# KiCad board mse-68-hd-panel.kicad_pcb (continued)
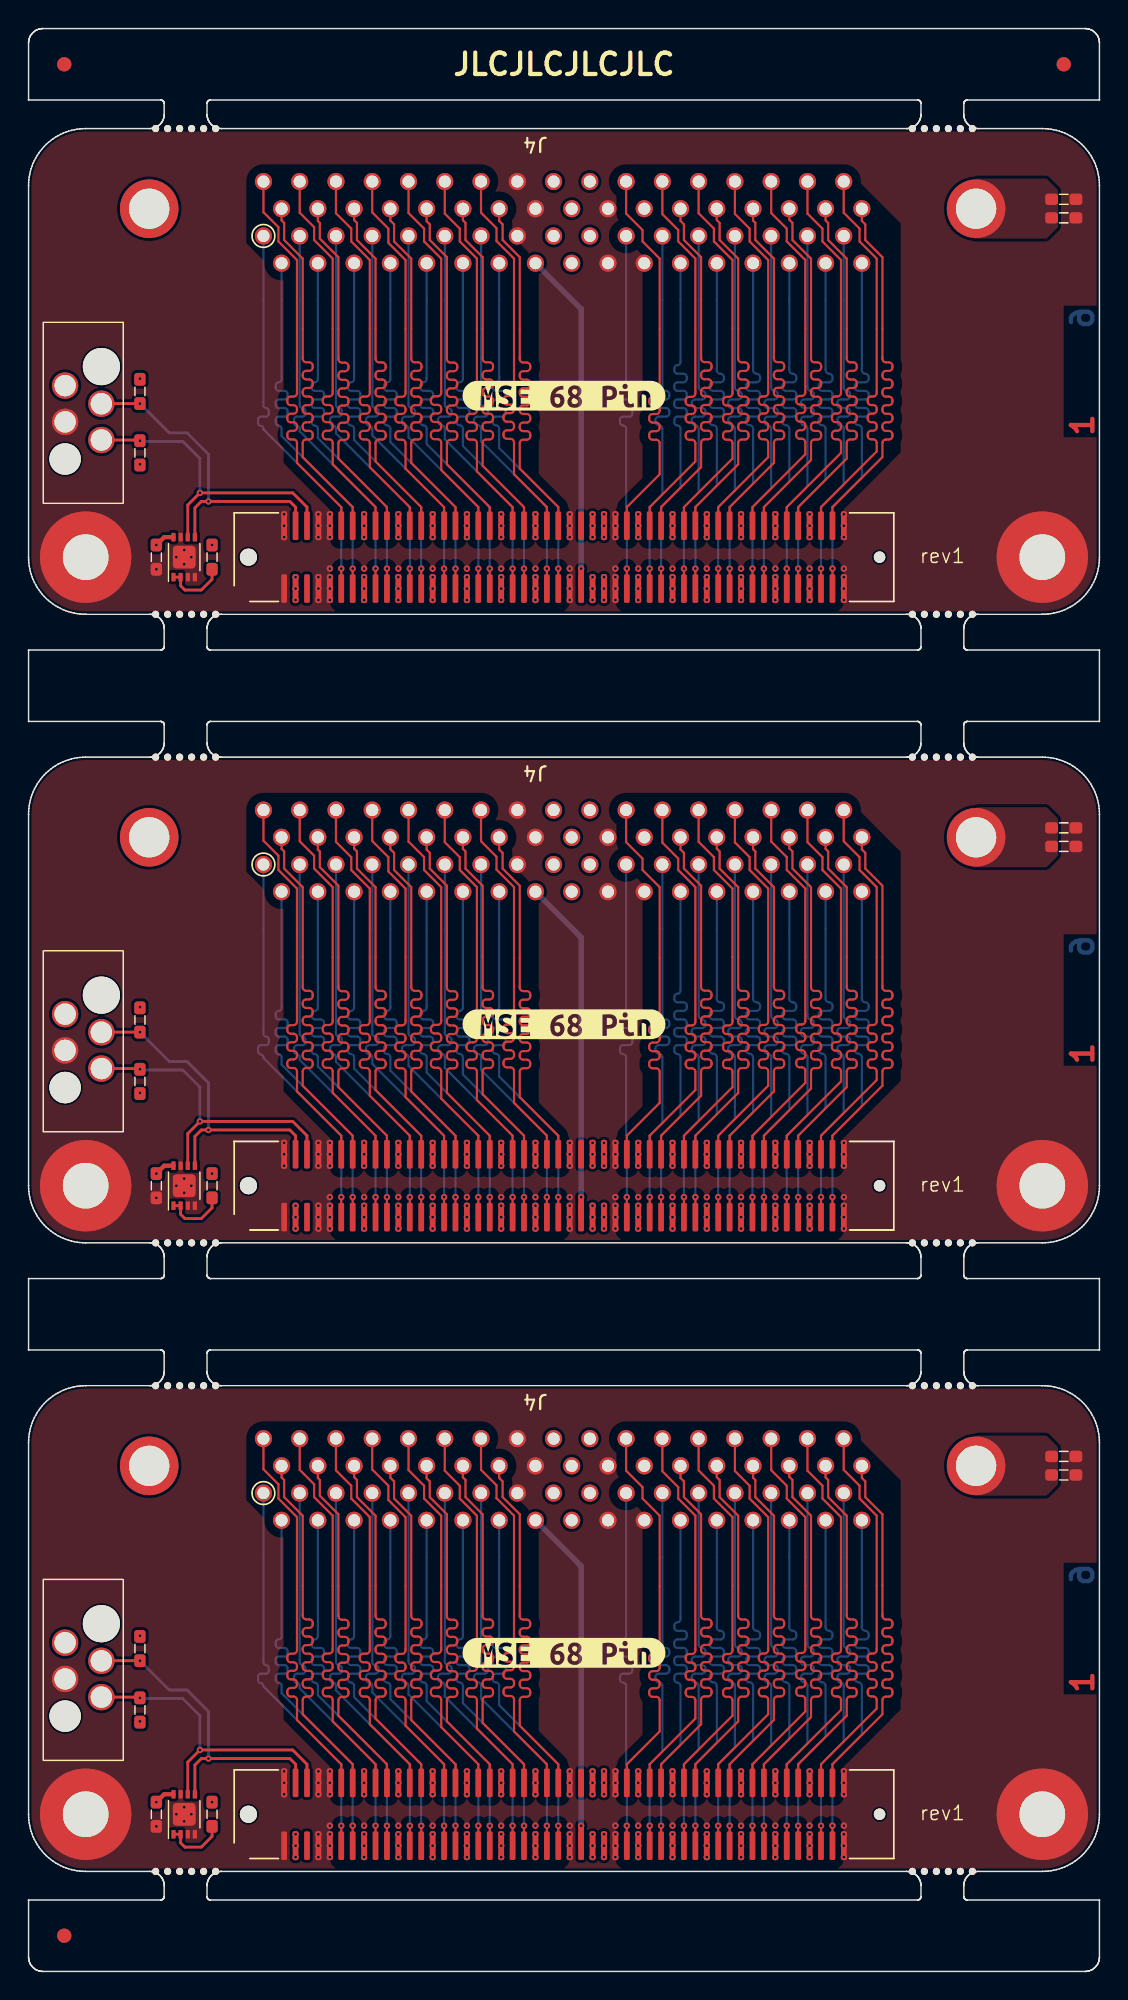
[diagram p0: board, top side]
## Routing (per net, layer and track width the routed paths; a pad name or vN(x,y) marks a point on that pad's centre or on a via; arc(x,y) is an arc through that point) (continued)
Board_0-/CON.I/O-: length 29.2
  Top w0.151: J4.64 53.28,122.62 53.5,122.4 53.5,121.2 54.8,119.9 54.8,112.88 arc(54.87,112.71) 55.04,112.64 55.27,112.64 arc(55.44,112.57) 55.51,112.4 55.51,112.28 arc(55.44,112.11) 55.27,112.04 55.04,112.04 arc(54.87,111.97) 54.8,111.8 54.8,111.68 arc(54.87,111.51) 55.04,111.44 55.27,111.44 arc(55.44,111.37) 55.51,111.2 55.51,111.08 arc(55.44,110.91) 55.27,110.84 55.04,110.84 arc(54.87,110.77) 54.8,110.6 54.8,110.48 arc(54.87,110.31) 55.04,110.24 55.27,110.24 arc(55.44,110.17) 55.51,110 55.51,109.88 arc(55.44,109.71) 55.27,109.64 55.04,109.64 arc(54.87,109.57) 54.8,109.4 54.8,109.28 arc(54.87,109.11) 55.04,109.04 55.27,109.04 arc(55.44,108.97) 55.51,108.8 55.51,108.68 arc(55.44,108.51) 55.27,108.44 55.04,108.44 arc(54.87,108.37) 54.8,108.2 54.8,108.08 arc(54.87,107.91) 55.04,107.84 55.27,107.84 arc(55.44,107.77) 55.51,107.6 55.51,107.48 arc(55.44,107.31) 55.27,107.24 55.04,107.24 arc(54.87,107.17) 54.8,107 54.8,105.8 51.5,102.5 J1#2.86
Board_0-/CON.MSG+: length 27.9
  Top w0.151: J1#2.73 v1(46.7,98.2)
  Bottom w0.151: v1(46.7,98.2) 46.7,102.5 48.2,104 48.2,108 arc(48.13,108.17) 47.96,108.24 47.94,108.24 arc(47.77,108.31) 47.7,108.48 47.7,108.6 arc(47.77,108.77) 47.94,108.84 48.46,108.84 arc(48.63,108.91) 48.7,109.08 48.7,109.2 arc(48.63,109.37) 48.46,109.44 47.94,109.44 arc(47.77,109.51) 47.7,109.68 47.7,109.8 arc(47.77,109.97) 47.94,110.04 48.46,110.04 arc(48.63,110.11) 48.7,110.28 48.7,110.4 arc(48.63,110.57) 48.46,110.64 47.94,110.64 arc(47.77,110.71) 47.7,110.88 47.7,111 arc(47.77,111.17) 47.94,111.24 48.46,111.24 arc(48.63,111.31) 48.7,111.48 48.7,111.6 arc(48.63,111.77) 48.46,111.84 48.44,111.84 arc(48.27,111.91) 48.2,112.08 J4.26
Board_0-/CON.MSG-: length 29.2
  Top w0.151: J4.60 48.2,122.6 48.4,122.4 48.4,121.2 49.7,119.9 49.7,112.88 arc(49.77,112.71) 49.94,112.64 50.18,112.64 arc(50.35,112.57) 50.42,112.4 50.42,112.28 arc(50.35,112.11) 50.18,112.04 49.94,112.04 arc(49.77,111.97) 49.7,111.8 49.7,111.68 arc(49.77,111.51) 49.94,111.44 50.18,111.44 arc(50.35,111.37) 50.42,111.2 50.42,111.08 arc(50.35,110.91) 50.18,110.84 49.94,110.84 arc(49.77,110.77) 49.7,110.6 49.7,110.48 arc(49.77,110.31) 49.94,110.24 50.18,110.24 arc(50.35,110.17) 50.42,110 50.42,109.88 arc(50.35,109.71) 50.18,109.64 49.94,109.64 arc(49.77,109.57) 49.7,109.4 49.7,109.28 arc(49.77,109.11) 49.94,109.04 50.18,109.04 arc(50.35,108.97) 50.42,108.8 50.42,108.68 arc(50.35,108.51) 50.18,108.44 49.94,108.44 arc(49.77,108.37) 49.7,108.2 49.7,108.08 arc(49.77,107.91) 49.94,107.84 50.18,107.84 arc(50.35,107.77) 50.42,107.6 50.42,107.48 arc(50.35,107.31) 50.18,107.24 49.94,107.24 arc(49.77,107.17) 49.7,107 49.7,105.5 46.7,102.5 J1#2.74
Board_0-/CON.REQ+: length 27.9
  Top w0.151: J1#2.83 v1(50.7,98.2)
  Bottom w0.151: J4.29 52.01,110.87 arc(52.08,110.71) 52.24,110.64 arc(52.41,110.57) 52.47,110.41 52.47,110.27 arc(52.41,110.11) 52.24,110.04 51.78,110.04 arc(51.61,109.97) 51.54,109.81 51.54,109.67 arc(51.61,109.51) 51.78,109.44 52.24,109.44 arc(52.41,109.37) 52.48,109.21 52.48,109.07 arc(52.41,108.91) 52.24,108.84 51.78,108.84 arc(51.61,108.77) 51.55,108.61 51.55,108.47 arc(51.61,108.3) 51.78,108.23 arc(51.94,108.17) 52.01,108 52.01,103.81 50.7,102.5 v1(50.7,98.2)
Board_0-/CON.REQ-: length 29.2
  Top w0.151: J4.63 52.01,123.09 53.1,122 53.1,121.1 54.4,119.8 54.4,110.53 arc(54.33,110.36) 54.16,110.29 54,110.29 arc(53.83,110.22) 53.76,110.05 53.76,109.93 arc(53.83,109.76) 54,109.69 54.16,109.69 arc(54.33,109.62) 54.4,109.45 54.4,109.33 arc(54.33,109.16) 54.16,109.09 54,109.09 arc(53.83,109.02) 53.76,108.85 53.76,108.73 arc(53.83,108.56) 54,108.49 54.16,108.49 arc(54.33,108.42) 54.4,108.25 54.4,108.13 arc(54.33,107.96) 54.16,107.89 54,107.89 arc(53.83,107.82) 53.76,107.65 53.76,107.53 arc(53.83,107.36) 54,107.29 54.16,107.29 arc(54.33,107.22) 54.4,107.05 54.4,106.2 50.7,102.5 J1#2.84
Board_0-/CON.RST+: length 27.9
  Top w0.151: J1#2.71 v1(45.9,98.2)
  Bottom w0.151: J4.25 46.93,110.88 arc(47,110.71) 47.17,110.64 47.17,110.64 arc(47.34,110.57) 47.41,110.4 47.41,110.28 arc(47.34,110.11) 47.17,110.04 46.69,110.04 arc(46.52,109.97) 46.45,109.8 46.45,109.68 arc(46.52,109.51) 46.69,109.44 47.17,109.44 arc(47.34,109.37) 47.41,109.2 47.41,109.08 arc(47.34,108.91) 47.17,108.84 46.69,108.84 arc(46.52,108.77) 46.45,108.6 46.45,108.48 arc(46.52,108.31) 46.69,108.24 46.69,108.24 arc(46.86,108.17) 46.93,108 46.93,103.53 45.9,102.5 v1(45.9,98.2)
Board_0-/CON.RST-: length 29.2
  Top w0.151: J1#2.72 45.9,102.5 49.3,105.9 49.3,106.98 arc(49.23,107.15) 49.06,107.22 48.88,107.22 arc(48.71,107.29) 48.64,107.46 48.64,107.58 arc(48.71,107.75) 48.88,107.82 49.06,107.82 arc(49.23,107.89) 49.3,108.06 49.3,108.18 arc(49.23,108.35) 49.06,108.42 48.88,108.42 arc(48.71,108.49) 48.64,108.66 48.64,108.78 arc(48.71,108.95) 48.88,109.02 49.06,109.02 arc(49.23,109.09) 49.3,109.26 49.3,109.38 arc(49.23,109.55) 49.06,109.62 48.88,109.62 arc(48.71,109.69) 48.64,109.86 48.64,109.98 arc(48.71,110.15) 48.88,110.22 49.06,110.22 arc(49.23,110.29) 49.3,110.46 49.3,119.8 48,121.1 48,122 46.93,123.07 J4.59
Board_0-/CON.SEL+: length 27.9
  Top w0.151: J1#2.77 v1(48.3,98.2)
  Bottom w0.151: J4.27 49.47,110.88 arc(49.54,110.71) 49.71,110.64 arc(49.87,110.57) 49.94,110.4 49.94,110.28 arc(49.87,110.11) 49.71,110.04 49.23,110.04 arc(49.06,109.97) 49,109.8 49,109.68 arc(49.06,109.51) 49.23,109.44 49.71,109.44 arc(49.88,109.37) 49.94,109.2 49.94,109.08 arc(49.88,108.91) 49.71,108.84 49.23,108.84 arc(49.07,108.77) 49,108.6 49,108.48 arc(49.07,108.31) 49.23,108.24 arc(49.4,108.17) 49.47,108 49.47,103.67 48.3,102.5 v1(48.3,98.2)
Board_0-/CON.SEL-: length 29.2
  Top w0.151: J4.61 49.47,123.03 50.5,122 50.5,121.1 51.8,119.8 51.8,110.49 arc(51.73,110.32) 51.56,110.25 51.38,110.25 arc(51.21,110.18) 51.14,110.01 51.14,109.89 arc(51.21,109.72) 51.38,109.65 51.56,109.65 arc(51.73,109.58) 51.8,109.41 51.8,109.29 arc(51.73,109.12) 51.56,109.05 51.38,109.05 arc(51.21,108.98) 51.14,108.81 51.14,108.69 arc(51.21,108.52) 51.38,108.45 51.56,108.45 arc(51.73,108.38) 51.8,108.21 51.8,108.09 arc(51.73,107.92) 51.56,107.85 51.38,107.85 arc(51.21,107.78) 51.14,107.61 51.14,107.49 arc(51.21,107.32) 51.38,107.25 51.56,107.25 arc(51.73,107.18) 51.8,107.01 51.8,106 48.3,102.5 J1#2.78
Board_0-/CON.TERMPWR:
  vias: v1(39.5,102) v1(39.5,101.2) v1(39.5,100.4) v1(39.5,97.6) v1(39.5,96.8) v1(39.5,96) v1(40.3,102) v1(40.3,101.2) v1(40.3,100.4) v1(40.3,97.6) v1(40.3,96.8) v1(40.3,96)
Board_0-/PHY.ID_SCL: length 22.5
  Top w0.2: J3#3.4 7.4,107.2 7.45,107.15 v1(7.8,107.15) ; U1.6 11.15,102.65 v1(12,103.5) 18.5,103.5 19.5,102.5 J1#2.6
  Bottom w0.2: v1(12,103.5) 12,105.9 10.8,107.1 7.85,107.1 v1(7.8,107.15)
Board_0-/PHY.ID_SDA: length 23
  Top w0.2: v1(7.8,109.75) 5.11,109.75 J3#3.2 ; U1.5 11.65,102.45 12.1,102.9 18.3,102.9 18.7,102.5 J1#2.4
  Bottom w0.2: v1(12.6,102.9) 12.6,106.2 11.1,107.7 9.85,107.7 v1(7.8,109.75)
Board_0-GND:
  vias: v1(8.95,98.15) v1(10.35,99) v1(10.9,99.5) v1(10.9,98.5) v1(11.4,99) v1(17.9,102) v1(17.9,101.2) v1(17.9,100.4) v1(20.3,102) v1(20.3,101.2) v1(20.3,100.4) v1(20.3,97.6) v1(20.3,96.8) v1(20.3,96) v1(21.1,102) v1(21.1,101.2) v1(21.1,100.4) v1(21.1,98.2) v1(21.1,97.6) v1(21.1,96.8) v1(21.1,96) v1(23.5,102) v1(23.5,101.2) v1(23.5,100.4) v1(23.5,98.2) v1(23.5,97.6) v1(23.5,96.8) v1(23.5,96) v1(25.9,102) v1(25.9,101.2) v1(25.9,100.4) v1(25.9,98.2) v1(25.9,97.6) v1(25.9,96.8) v1(25.9,96) v1(28.3,102) v1(28.3,101.2) v1(28.3,100.4) v1(28.3,98.2) v1(28.3,97.6) v1(28.3,96.8) v1(28.3,96) v1(30.7,102) v1(30.7,101.2) v1(30.7,100.4) v1(30.7,98.2) v1(30.7,97.6) v1(30.7,96.8) v1(30.7,96) v1(33.1,102) v1(33.1,101.2) v1(33.1,100.4) v1(33.1,98.2) v1(33.1,97.6) v1(33.1,96.8) v1(33.1,96) v1(35.5,102) v1(35.5,101.2) v1(35.5,100.4) v1(35.5,98.2) v1(35.5,97.6) v1(35.5,96.8) v1(35.5,96) v1(37.9,102) v1(37.9,101.2) v1(37.9,100.4) v1(37.9,98.2) v1(37.9,97.6) v1(37.9,96.8) v1(37.9,96) v1(41.1,102) v1(41.1,101.2) v1(41.1,100.4) v1(41.1,98.2) v1(41.1,97.6) v1(41.1,96.8) v1(41.1,96) v1(42.7,102) v1(42.7,101.2) v1(42.7,100.4) v1(42.7,98.2) v1(42.7,97.6) v1(42.7,96.8) v1(42.7,96) v1(45.1,102) v1(45.1,101.2) v1(45.1,100.4) v1(45.1,98.2) v1(45.1,97.6) v1(45.1,96.8) v1(45.1,96) v1(47.5,102) v1(47.5,101.2) v1(47.5,100.4) v1(47.5,98.2) v1(47.5,97.6) v1(47.5,96.8) v1(47.5,96) v1(49.9,102) v1(49.9,101.2) v1(49.9,100.4) v1(49.9,98.2) v1(49.9,97.6) v1(49.9,96.8) v1(49.9,96) v1(52.3,102) v1(52.3,101.2) v1(52.3,100.4) v1(52.3,98.2) v1(52.3,97.6) v1(52.3,96.8) v1(52.3,96) v1(54.7,102) v1(54.7,101.2) v1(54.7,100.4) v1(54.7,98.2) v1(54.7,97.6) v1(54.7,96.8) v1(54.7,96) v1(57.1,102) v1(57.1,101.2) v1(57.1,100.4) v1(57.1,98.2) v1(57.1,97.6) v1(57.1,96.8) v1(57.1,96)
Board_0-Net-(U1-E0): length 4.4
  Top w0.2: R1.1 12.85,97.45 12.1,96.7 10.95,96.7 10.65,97 U1.2 U1.1
Board_1-+3V3: length 1.4
  Top w0.3: v1(8.95,55.85) 9.5,56.4 U1#3.8
  vias: v1(7.8,67.5) v1(7.8,61.5) v1(12.85,55.85) v1(18.7,53.6) v1(18.7,52.8) v1(18.7,52)
Board_1-/CON.ACK+: length 27.9
  Top w0.151: J1#3.67 v1(44.3,54.2)
  Bottom w0.151: v1(44.3,54.2) 44.3,58.5 45.66,59.86 45.66,64 arc(45.6,64.15) 45.44,64.22 arc(45.29,64.28) 45.23,64.43 45.23,64.63 arc(45.29,64.78) 45.44,64.84 45.88,64.84 arc(46.03,64.91) 46.1,65.06 46.1,65.22 arc(46.03,65.38) 45.88,65.44 45.44,65.44 arc(45.29,65.51) 45.22,65.66 45.22,65.82 arc(45.29,65.98) 45.44,66.04 45.88,66.04 arc(46.03,66.11) 46.1,66.26 46.1,66.42 arc(46.03,66.58) 45.88,66.64 45.44,66.64 arc(45.29,66.71) 45.22,66.86 45.22,67.02 arc(45.29,67.18) 45.44,67.24 45.88,67.24 arc(46.03,67.31) 46.1,67.46 46.1,67.62 arc(46.03,67.78) 45.88,67.84 45.44,67.84 arc(45.29,67.91) 45.23,68.06 45.23,68.23 arc(45.29,68.38) 45.44,68.44 arc(45.6,68.51) 45.66,68.66 J4#3.24
Board_1-/CON.ACK-: length 29.2
  Top w0.151: J1#3.68 44.3,58.5 47.1,61.3 47.1,63.01 arc(47.17,63.18) 47.34,63.25 47.59,63.25 arc(47.76,63.32) 47.83,63.49 47.83,63.61 arc(47.76,63.78) 47.59,63.85 47.34,63.85 arc(47.17,63.92) 47.1,64.09 47.1,64.21 arc(47.17,64.38) 47.34,64.45 47.59,64.45 arc(47.76,64.52) 47.83,64.69 47.83,64.81 arc(47.76,64.98) 47.59,65.05 47.34,65.05 arc(47.17,65.12) 47.1,65.29 47.1,65.41 arc(47.17,65.58) 47.34,65.65 47.59,65.65 arc(47.76,65.72) 47.83,65.89 47.83,66.01 arc(47.76,66.18) 47.59,66.25 47.34,66.25 arc(47.17,66.32) 47.1,66.49 47.1,66.61 arc(47.17,66.78) 47.34,66.85 47.59,66.85 arc(47.76,66.92) 47.83,67.09 47.83,67.21 arc(47.76,67.38) 47.59,67.45 47.34,67.45 arc(47.17,67.52) 47.1,67.69 47.1,67.81 arc(47.17,67.98) 47.34,68.05 47.59,68.05 arc(47.76,68.12) 47.83,68.29 47.83,68.41 arc(47.76,68.58) 47.59,68.65 47.34,68.65 arc(47.17,68.72) 47.1,68.89 47.1,76 45.9,77.2 45.9,78.3 45.66,78.54 J4#3.58
Board_1-/CON.ATN+: length 27.9
  Top w0.151: J1#3.61 v1(41.9,54.2)
  Bottom w0.151: J4#3.21 41.85,67.46 arc(41.79,67.31) 41.63,67.24 arc(41.48,67.18) 41.42,67.03 41.42,66.86 arc(41.48,66.71) 41.63,66.64 42.07,66.64 arc(42.22,66.58) 42.29,66.42 42.29,66.26 arc(42.22,66.11) 42.07,66.04 41.63,66.04 arc(41.48,65.98) 41.41,65.82 41.41,65.66 arc(41.48,65.51) 41.63,65.44 42.07,65.44 arc(42.22,65.38) 42.29,65.22 42.29,65.06 arc(42.22,64.91) 42.07,64.84 41.63,64.84 arc(41.48,64.78) 41.42,64.63 41.42,64.43 arc(41.48,64.28) 41.63,64.22 arc(41.79,64.15) 41.85,64 41.85,58.55 41.9,58.5 v1(41.9,54.2)
Board_1-/CON.ATN-: length 29.2
  Top w0.151: J1#3.62 41.9,58.5 44.2,60.8 44.2,62.98 arc(44.13,63.15) 43.96,63.22 43.7,63.22 arc(43.53,63.29) 43.46,63.46 43.46,63.58 arc(43.53,63.75) 43.7,63.82 43.96,63.82 arc(44.13,63.89) 44.2,64.06 44.2,64.18 arc(44.13,64.35) 43.96,64.42 43.7,64.42 arc(43.53,64.49) 43.46,64.66 43.46,64.78 arc(43.53,64.95) 43.7,65.02 43.96,65.02 arc(44.13,65.09) 44.2,65.26 44.2,65.38 arc(44.13,65.55) 43.96,65.62 43.7,65.62 arc(43.53,65.69) 43.46,65.86 43.46,65.98 arc(43.53,66.15) 43.7,66.22 43.96,66.22 arc(44.13,66.29) 44.2,66.46 44.2,75.9 43,77.1 43,77.9 41.85,79.05 J4#3.55
Board_1-/CON.BSY+: length 27.9
  Top w0.151: J1#3.65 v1(43.5,54.2)
  Bottom w0.151: v1(43.5,54.2) 43.5,58.5 44.39,59.39 44.39,64 arc(44.32,64.17) 44.15,64.24 44.14,64.24 arc(43.97,64.31) 43.9,64.48 43.9,64.6 arc(43.97,64.77) 44.14,64.84 44.64,64.84 arc(44.81,64.91) 44.88,65.08 44.88,65.2 arc(44.81,65.37) 44.64,65.44 44.14,65.44 arc(43.97,65.51) 43.9,65.68 43.9,65.8 arc(43.97,65.97) 44.14,66.04 44.64,66.04 arc(44.81,66.11) 44.88,66.28 44.88,66.4 arc(44.81,66.57) 44.64,66.64 44.63,66.64 arc(44.46,66.71) 44.39,66.88 J4#3.23
Board_1-/CON.BSY-: length 29.2
  Top w0.151: J4#3.57 44.39,79.01 45.5,77.9 45.5,77.1 46.7,75.9 46.7,66.46 arc(46.63,66.29) 46.46,66.22 46.26,66.22 arc(46.09,66.15) 46.02,65.98 46.02,65.86 arc(46.09,65.69) 46.26,65.62 46.46,65.62 arc(46.63,65.55) 46.7,65.38 46.7,65.26 arc(46.63,65.09) 46.46,65.02 46.26,65.02 arc(46.09,64.95) 46.02,64.78 46.02,64.66 arc(46.09,64.49) 46.26,64.42 46.46,64.42 arc(46.63,64.35) 46.7,64.18 46.7,64.06 arc(46.63,63.89) 46.46,63.82 46.26,63.82 arc(46.09,63.75) 46.02,63.58 46.02,63.46 arc(46.09,63.29) 46.26,63.22 46.46,63.22 arc(46.63,63.15) 46.7,62.98 46.7,61.7 43.5,58.5 J1#3.66
Board_1-/CON.C/D+: length 27.9
  Top w0.151: J1#3.79 v1(49.1,54.2)
  Bottom w0.151: v1(49.1,54.2) 49.1,58.5 50.74,60.14 50.74,64 arc(50.67,64.17) 50.5,64.24 50.49,64.24 arc(50.32,64.31) 50.25,64.48 50.25,64.6 arc(50.32,64.77) 50.49,64.84 50.99,64.84 arc(51.16,64.91) 51.23,65.08 51.23,65.2 arc(51.16,65.37) 50.99,65.44 50.49,65.44 arc(50.32,65.51) 50.25,65.68 50.25,65.8 arc(50.32,65.97) 50.49,66.04 50.99,66.04 arc(51.16,66.11) 51.23,66.28 51.23,66.4 arc(51.16,66.57) 50.99,66.64 50.49,66.64 arc(50.32,66.71) 50.25,66.88 50.25,67 arc(50.32,67.17) 50.49,67.24 50.99,67.24 arc(51.16,67.31) 51.23,67.48 51.23,67.6 arc(51.16,67.77) 50.99,67.84 50.98,67.84 arc(50.81,67.91) 50.74,68.08 J4#3.28
Board_1-/CON.C/D-: length 29.2
  Top w0.151: J1#3.80 49.1,58.5 52.2,61.6 52.2,63.01 arc(52.27,63.18) 52.44,63.25 52.68,63.25 arc(52.85,63.32) 52.92,63.49 52.92,63.61 arc(52.85,63.78) 52.68,63.85 52.44,63.85 arc(52.27,63.92) 52.2,64.09 52.2,64.21 arc(52.27,64.38) 52.44,64.45 52.68,64.45 arc(52.85,64.52) 52.92,64.69 52.92,64.81 arc(52.85,64.98) 52.68,65.05 52.44,65.05 arc(52.27,65.12) 52.2,65.29 52.2,65.41 arc(52.27,65.58) 52.44,65.65 52.68,65.65 arc(52.85,65.72) 52.92,65.89 52.92,66.01 arc(52.85,66.18) 52.68,66.25 52.44,66.25 arc(52.27,66.32) 52.2,66.49 52.2,66.61 arc(52.27,66.78) 52.44,66.85 52.68,66.85 arc(52.85,66.92) 52.92,67.09 52.92,67.21 arc(52.85,67.38) 52.68,67.45 52.44,67.45 arc(52.27,67.52) 52.2,67.69 52.2,67.81 arc(52.27,67.98) 52.44,68.05 52.68,68.05 arc(52.85,68.12) 52.92,68.29 52.92,68.41 arc(52.85,68.58) 52.68,68.65 52.44,68.65 arc(52.27,68.72) 52.2,68.89 52.2,75.9 50.9,77.2 50.9,78.4 50.74,78.56 J4#3.62
Board_1-/CON.DB0+: length 27.9
  Top w0.151: J1#3.25 v1(27.5,54.2)
  Bottom w0.151: v1(27.5,54.2) 27.5,58.5 22.8,63.2 22.8,64 arc(22.74,64.15) 22.59,64.22 arc(22.43,64.28) 22.37,64.43 22.37,64.63 arc(22.43,64.78) 22.59,64.84 23.02,64.84 arc(23.17,64.91) 23.24,65.06 23.24,65.22 arc(23.17,65.38) 23.02,65.44 22.58,65.44 arc(22.43,65.51) 22.36,65.66 22.36,65.82 arc(22.43,65.98) 22.58,66.04 23.02,66.04 arc(23.17,66.11) 23.24,66.26 23.24,66.42 arc(23.17,66.58) 23.02,66.64 22.59,66.64 arc(22.43,66.7) 22.37,66.86 22.37,67.03 arc(22.43,67.18) 22.59,67.24 arc(22.74,67.3) 22.8,67.46 J4#3.6
Board_1-/CON.DB0-: length 29.2
  Top w0.151: J1#3.26 27.5,58.5 24.3,61.7 24.3,63 arc(24.37,63.17) 24.54,63.24 24.77,63.24 arc(24.94,63.31) 25.01,63.48 25.01,63.6 arc(24.94,63.77) 24.77,63.84 24.54,63.84 arc(24.37,63.91) 24.3,64.08 24.3,64.2 arc(24.37,64.37) 24.54,64.44 24.77,64.44 arc(24.94,64.51) 25.01,64.68 25.01,64.8 arc(24.94,64.97) 24.77,65.04 24.54,65.04 arc(24.37,65.11) 24.3,65.28 24.3,65.4 arc(24.37,65.57) 24.54,65.64 24.77,65.64 arc(24.94,65.71) 25.01,65.88 25.01,66 arc(24.94,66.17) 24.77,66.24 24.54,66.24 arc(24.37,66.31) 24.3,66.48 24.3,66.6 arc(24.37,66.77) 24.54,66.84 24.77,66.84 arc(24.94,66.91) 25.01,67.08 25.01,67.2 arc(24.94,67.37) 24.77,67.44 24.54,67.44 arc(24.37,67.51) 24.3,67.68 24.3,67.8 arc(24.37,67.97) 24.54,68.04 24.77,68.04 arc(24.94,68.11) 25.01,68.28 25.01,68.4 arc(24.94,68.57) 24.77,68.64 24.54,68.64 arc(24.37,68.71) 24.3,68.88 24.3,75.9 23,77.2 23,78.4 22.8,78.6 J4#3.40
Board_1-/CON.DB1+: length 27.9
  Top w0.151: J1#3.29 v1(29.1,54.2)
  Bottom w0.151: v1(29.1,54.2) 29.1,58.5 24.07,63.53 24.07,64 arc(24.01,64.16) 23.85,64.22 arc(23.7,64.28) 23.64,64.44 23.64,64.62 arc(23.7,64.78) 23.85,64.84 24.29,64.84 arc(24.44,64.91) 24.5,65.06 24.5,65.22 arc(24.44,65.38) 24.29,65.44 arc(24.13,65.51) 24.07,65.66 J4#3.7
Board_1-/CON.DB1-: length 29.2
  Top w0.151: J4#3.41 24.07,79.13 25.2,78 25.2,77 26.4,75.8 26.4,66.47 arc(26.33,66.3) 26.16,66.23 25.93,66.23 arc(25.76,66.16) 25.69,65.99 25.69,65.87 arc(25.76,65.7) 25.93,65.63 26.16,65.63 arc(26.33,65.56) 26.4,65.39 26.4,65.27 arc(26.33,65.1) 26.16,65.03 25.93,65.03 arc(25.76,64.96) 25.69,64.79 25.69,64.67 arc(25.76,64.5) 25.93,64.43 26.16,64.43 arc(26.33,64.36) 26.4,64.19 26.4,64.07 arc(26.33,63.9) 26.16,63.83 25.93,63.83 arc(25.76,63.76) 25.69,63.59 25.69,63.47 arc(25.76,63.3) 25.93,63.23 26.16,63.23 arc(26.33,63.16) 26.4,62.99 26.4,61.2 29.1,58.5 J1#3.30
Board_1-/CON.DB2+: length 27.9
  Top w0.151: J1#3.31 v1(29.9,54.2)
  Bottom w0.151: v1(29.9,54.2) 29.9,58.5 25.34,63.06 25.34,64 arc(25.28,64.16) 25.12,64.22 arc(24.97,64.29) 24.9,64.44 24.9,64.62 arc(24.97,64.78) 25.12,64.84 25.56,64.84 arc(25.72,64.91) 25.78,65.06 25.78,65.22 arc(25.72,65.38) 25.56,65.44 25.12,65.44 arc(24.96,65.51) 24.9,65.66 24.9,65.82 arc(24.96,65.98) 25.12,66.04 25.56,66.04 arc(25.72,66.11) 25.78,66.26 25.78,66.42 arc(25.72,66.58) 25.56,66.64 25.12,66.64 arc(24.97,66.71) 24.9,66.86 24.9,67.02 arc(24.97,67.18) 25.12,67.24 arc(25.28,67.31) 25.34,67.46 J4#3.8
Board_1-/CON.DB2-: length 29.2
  Top w0.151: J1#3.32 29.9,58.5 26.8,61.6 26.8,63 arc(26.87,63.17) 27.04,63.24 27.28,63.24 arc(27.45,63.31) 27.52,63.48 27.52,63.6 arc(27.45,63.77) 27.28,63.84 27.04,63.84 arc(26.87,63.91) 26.8,64.08 26.8,64.2 arc(26.87,64.37) 27.04,64.44 27.28,64.44 arc(27.45,64.51) 27.52,64.68 27.52,64.8 arc(27.45,64.97) 27.28,65.04 27.04,65.04 arc(26.87,65.11) 26.8,65.28 26.8,65.4 arc(26.87,65.57) 27.04,65.64 27.28,65.64 arc(27.45,65.71) 27.52,65.88 27.52,66 arc(27.45,66.17) 27.28,66.24 27.04,66.24 arc(26.87,66.31) 26.8,66.48 26.8,66.6 arc(26.87,66.77) 27.04,66.84 27.28,66.84 arc(27.45,66.91) 27.52,67.08 27.52,67.2 arc(27.45,67.37) 27.28,67.44 27.04,67.44 arc(26.87,67.51) 26.8,67.68 26.8,67.8 arc(26.87,67.97) 27.04,68.04 27.28,68.04 arc(27.45,68.11) 27.52,68.28 27.52,68.4 arc(27.45,68.57) 27.28,68.64 27.04,68.64 arc(26.87,68.71) 26.8,68.88 26.8,75.9 25.6,77.1 25.6,78.3 25.34,78.56 J4#3.42
Board_1-/CON.DB3+: length 27.9
  Top w0.151: J1#3.35 v1(31.5,54.2)
  Bottom w0.151: J4#3.9 26.61,65.67 arc(26.68,65.51) 26.84,65.44 arc(27,65.38) 27.07,65.21 27.07,65.07 arc(27,64.91) 26.84,64.84 26.38,64.84 arc(26.22,64.78) 26.15,64.61 26.15,64.46 arc(26.22,64.3) 26.38,64.23 arc(26.54,64.16) 26.61,64 26.61,63.39 31.5,58.5 v1(31.5,54.2)
Board_1-/CON.DB3-: length 29.2
  Top w0.151: J4#3.43 26.61,79.09 27.7,78 27.7,77.1 28.9,75.9 28.9,66.5 arc(28.83,66.33) 28.66,66.26 28.42,66.26 arc(28.25,66.19) 28.18,66.02 28.18,65.9 arc(28.25,65.73) 28.42,65.66 28.66,65.66 arc(28.83,65.59) 28.9,65.42 28.9,65.3 arc(28.83,65.13) 28.66,65.06 28.42,65.06 arc(28.25,64.99) 28.18,64.82 28.18,64.7 arc(28.25,64.53) 28.42,64.46 28.66,64.46 arc(28.83,64.39) 28.9,64.22 28.9,64.1 arc(28.83,63.93) 28.66,63.86 28.42,63.86 arc(28.25,63.79) 28.18,63.62 28.18,63.5 arc(28.25,63.33) 28.42,63.26 28.66,63.26 arc(28.83,63.19) 28.9,63.02 28.9,61.1 31.5,58.5 J1#3.36
Board_1-/CON.DB4+: length 27.9
  Top w0.151: J1#3.37 v1(32.3,54.2)
  Bottom w0.151: v1(32.3,54.2) 32.3,58.5 27.88,62.92 27.88,64 arc(27.81,64.16) 27.66,64.23 arc(27.5,64.29) 27.43,64.45 27.43,64.62 arc(27.5,64.78) 27.66,64.84 28.11,64.84 arc(28.27,64.91) 28.33,65.07 28.33,65.22 arc(28.27,65.38) 28.11,65.44 27.65,65.44 arc(27.49,65.51) 27.43,65.67 27.43,65.82 arc(27.49,65.98) 27.65,66.04 28.11,66.04 arc(28.27,66.11) 28.33,66.27 28.33,66.42 arc(28.27,66.58) 28.11,66.64 27.66,66.64 arc(27.5,66.71) 27.43,66.87 27.43,67.02 arc(27.5,67.18) 27.66,67.24 arc(27.81,67.31) 27.88,67.47 J4#3.10
Board_1-/CON.DB4-: length 29.2
  Top w0.151: J4#3.44 27.88,78.52 28.1,78.3 28.1,77.2 29.3,76 29.3,68.86 arc(29.37,68.69) 29.54,68.62 29.78,68.62 arc(29.95,68.55) 30.02,68.38 30.02,68.26 arc(29.95,68.09) 29.78,68.02 29.54,68.02 arc(29.37,67.95) 29.3,67.78 29.3,67.66 arc(29.37,67.49) 29.54,67.42 29.78,67.42 arc(29.95,67.35) 30.02,67.18 30.02,67.06 arc(29.95,66.89) 29.78,66.82 29.54,66.82 arc(29.37,66.75) 29.3,66.58 29.3,66.46 arc(29.37,66.29) 29.54,66.22 29.78,66.22 arc(29.95,66.15) 30.02,65.98 30.02,65.86 arc(29.95,65.69) 29.78,65.62 29.54,65.62 arc(29.37,65.55) 29.3,65.38 29.3,65.26 arc(29.37,65.09) 29.54,65.02 29.78,65.02 arc(29.95,64.95) 30.02,64.78 30.02,64.66 arc(29.95,64.49) 29.78,64.42 29.54,64.42 arc(29.37,64.35) 29.3,64.18 29.3,64.06 arc(29.37,63.89) 29.54,63.82 29.78,63.82 arc(29.95,63.75) 30.02,63.58 30.02,63.46 arc(29.95,63.29) 29.78,63.22 29.54,63.22 arc(29.37,63.15) 29.3,62.98 29.3,61.5 32.3,58.5 J1#3.38
Board_1-/CON.DB5+: length 27.9
  Top w0.151: J1#3.41 v1(33.9,54.2)
  Bottom w0.151: J4#3.11 29.15,65.68 arc(29.22,65.51) 29.39,65.44 arc(29.56,65.37) 29.63,65.2 29.63,65.08 arc(29.56,64.91) 29.39,64.84 28.91,64.84 arc(28.74,64.77) 28.67,64.6 28.67,64.48 arc(28.74,64.31) 28.91,64.24 arc(29.08,64.17) 29.15,64 29.15,63.25 33.9,58.5 v1(33.9,54.2)
Board_1-/CON.DB5-: length 29.2
  Top w0.151: J4#3.45 29.15,79.05 30.2,78 30.2,77.1 31.4,75.9 31.4,66.47 arc(31.33,66.3) 31.16,66.23 30.91,66.23 arc(30.74,66.16) 30.67,65.99 30.67,65.87 arc(30.74,65.7) 30.91,65.63 31.16,65.63 arc(31.33,65.56) 31.4,65.39 31.4,65.27 arc(31.33,65.1) 31.16,65.03 30.91,65.03 arc(30.74,64.96) 30.67,64.79 30.67,64.67 arc(30.74,64.5) 30.91,64.43 31.16,64.43 arc(31.33,64.36) 31.4,64.19 31.4,64.07 arc(31.33,63.9) 31.16,63.83 30.91,63.83 arc(30.74,63.76) 30.67,63.59 30.67,63.47 arc(30.74,63.3) 30.91,63.23 31.16,63.23 arc(31.33,63.16) 31.4,62.99 31.4,61 33.9,58.5 J1#3.42
Board_1-/CON.DB6+: length 27.9
  Top w0.151: J1#3.43 v1(34.7,54.2)
  Bottom w0.151: v1(34.7,54.2) 34.7,58.5 30.42,62.78 30.42,64 arc(30.35,64.16) 30.19,64.23 arc(30.03,64.3) 29.96,64.46 29.96,64.61 arc(30.03,64.78) 30.19,64.84 30.65,64.84 arc(30.81,64.91) 30.88,65.07 30.88,65.21 arc(30.81,65.37) 30.65,65.44 30.19,65.44 arc(30.03,65.51) 29.96,65.67 29.96,65.81 arc(30.03,65.97) 30.19,66.04 30.65,66.04 arc(30.81,66.11) 30.88,66.27 30.88,66.41 arc(30.81,66.57) 30.65,66.64 30.19,66.64 arc(30.03,66.71) 29.96,66.87 29.96,67.01 arc(30.03,67.18) 30.19,67.24 arc(30.35,67.31) 30.42,67.47 J4#3.12
Board_1-/CON.DB6-: length 29.2
  Top w0.151: J4#3.46 30.42,78.58 30.6,78.4 30.6,77.2 31.8,76 31.8,68.88 arc(31.87,68.71) 32.04,68.64 32.29,68.64 arc(32.46,68.57) 32.53,68.4 32.53,68.28 arc(32.46,68.11) 32.29,68.04 32.04,68.04 arc(31.87,67.97) 31.8,67.8 31.8,67.68 arc(31.87,67.51) 32.04,67.44 32.29,67.44 arc(32.46,67.37) 32.53,67.2 32.53,67.08 arc(32.46,66.91) 32.29,66.84 32.04,66.84 arc(31.87,66.77) 31.8,66.6 31.8,66.48 arc(31.87,66.31) 32.04,66.24 32.29,66.24 arc(32.46,66.17) 32.53,66 32.53,65.88 arc(32.46,65.71) 32.29,65.64 32.04,65.64 arc(31.87,65.57) 31.8,65.4 31.8,65.28 arc(31.87,65.11) 32.04,65.04 32.29,65.04 arc(32.46,64.97) 32.53,64.8 32.53,64.68 arc(32.46,64.51) 32.29,64.44 32.04,64.44 arc(31.87,64.37) 31.8,64.2 31.8,64.08 arc(31.87,63.91) 32.04,63.84 32.29,63.84 arc(32.46,63.77) 32.53,63.6 32.53,63.48 arc(32.46,63.31) 32.29,63.24 32.04,63.24 arc(31.87,63.17) 31.8,63 31.8,61.4 34.7,58.5 J1#3.44
Board_1-/CON.DB7+: length 27.9
  Top w0.151: J1#3.47 v1(36.3,54.2)
  Bottom w0.151: J4#3.13 31.69,65.68 arc(31.76,65.51) 31.93,65.44 31.94,65.44 arc(32.11,65.37) 32.18,65.2 32.18,65.08 arc(32.11,64.91) 31.94,64.84 31.44,64.84 arc(31.27,64.77) 31.2,64.6 31.2,64.48 arc(31.27,64.31) 31.44,64.24 31.45,64.24 arc(31.62,64.17) 31.69,64 31.69,63.11 36.3,58.5 v1(36.3,54.2)
Board_1-/CON.DB7-: length 29.2
  Top w0.151: J4#3.47 31.69,79.11 32.77,78.03 32.77,77.13 34,75.9 34,66.52 arc(33.93,66.35) 33.76,66.28 33.5,66.28 arc(33.33,66.21) 33.26,66.04 33.26,65.92 arc(33.33,65.75) 33.5,65.68 33.76,65.68 arc(33.93,65.61) 34,65.44 34,65.32 arc(33.93,65.15) 33.76,65.08 33.5,65.08 arc(33.33,65.01) 33.26,64.84 33.26,64.72 arc(33.33,64.55) 33.5,64.48 33.76,64.48 arc(33.93,64.41) 34,64.24 34,64.12 arc(33.93,63.95) 33.76,63.88 33.5,63.88 arc(33.33,63.81) 33.26,63.64 33.26,63.52 arc(33.33,63.35) 33.5,63.28 33.76,63.28 arc(33.93,63.21) 34,63.04 34,60.8 36.3,58.5 J1#3.48
Board_1-/CON.DB8+: length 27.9
  Top w0.151: J1#3.89 v1(53.1,54.2)
  Bottom w0.151: J4#3.31 54.55,66.87 arc(54.62,66.71) 54.78,66.64 arc(54.94,66.58) 55,66.42 55,66.27 arc(54.94,66.11) 54.78,66.04 54.32,66.04 arc(54.16,65.98) 54.09,65.81 54.09,65.67 arc(54.16,65.51) 54.32,65.44 54.78,65.44 arc(54.94,65.38) 55.01,65.21 55.01,65.07 arc(54.94,64.91) 54.78,64.84 54.32,64.84 arc(54.16,64.78) 54.1,64.62 54.1,64.45 arc(54.16,64.29) 54.32,64.23 arc(54.48,64.16) 54.55,64 54.55,59.95 53.1,58.5 v1(53.1,54.2)
Board_1-/CON.DB8-: length 29.2
  Top w0.151: J1#3.90 53.1,58.5 56.9,62.3 56.9,63.01 arc(56.83,63.18) 56.66,63.25 56.51,63.25 arc(56.34,63.32) 56.27,63.49 56.27,63.61 arc(56.34,63.78) 56.51,63.85 56.66,63.85 arc(56.83,63.92) 56.9,64.09 56.9,64.21 arc(56.83,64.38) 56.66,64.45 56.51,64.45 arc(56.34,64.52) 56.27,64.69 56.27,64.81 arc(56.34,64.98) 56.51,65.05 56.66,65.05 arc(56.83,65.12) 56.9,65.29 56.9,65.41 arc(56.83,65.58) 56.66,65.65 56.51,65.65 arc(56.34,65.72) 56.27,65.89 56.27,66.01 arc(56.34,66.18) 56.51,66.25 56.66,66.25 arc(56.83,66.32) 56.9,66.49 56.9,75.8 55.6,77.1 55.6,78 54.55,79.05 J4#3.65